# Altium PCB PMR_for_R124_test.PcbDoc (part 1 of 2) (continued)
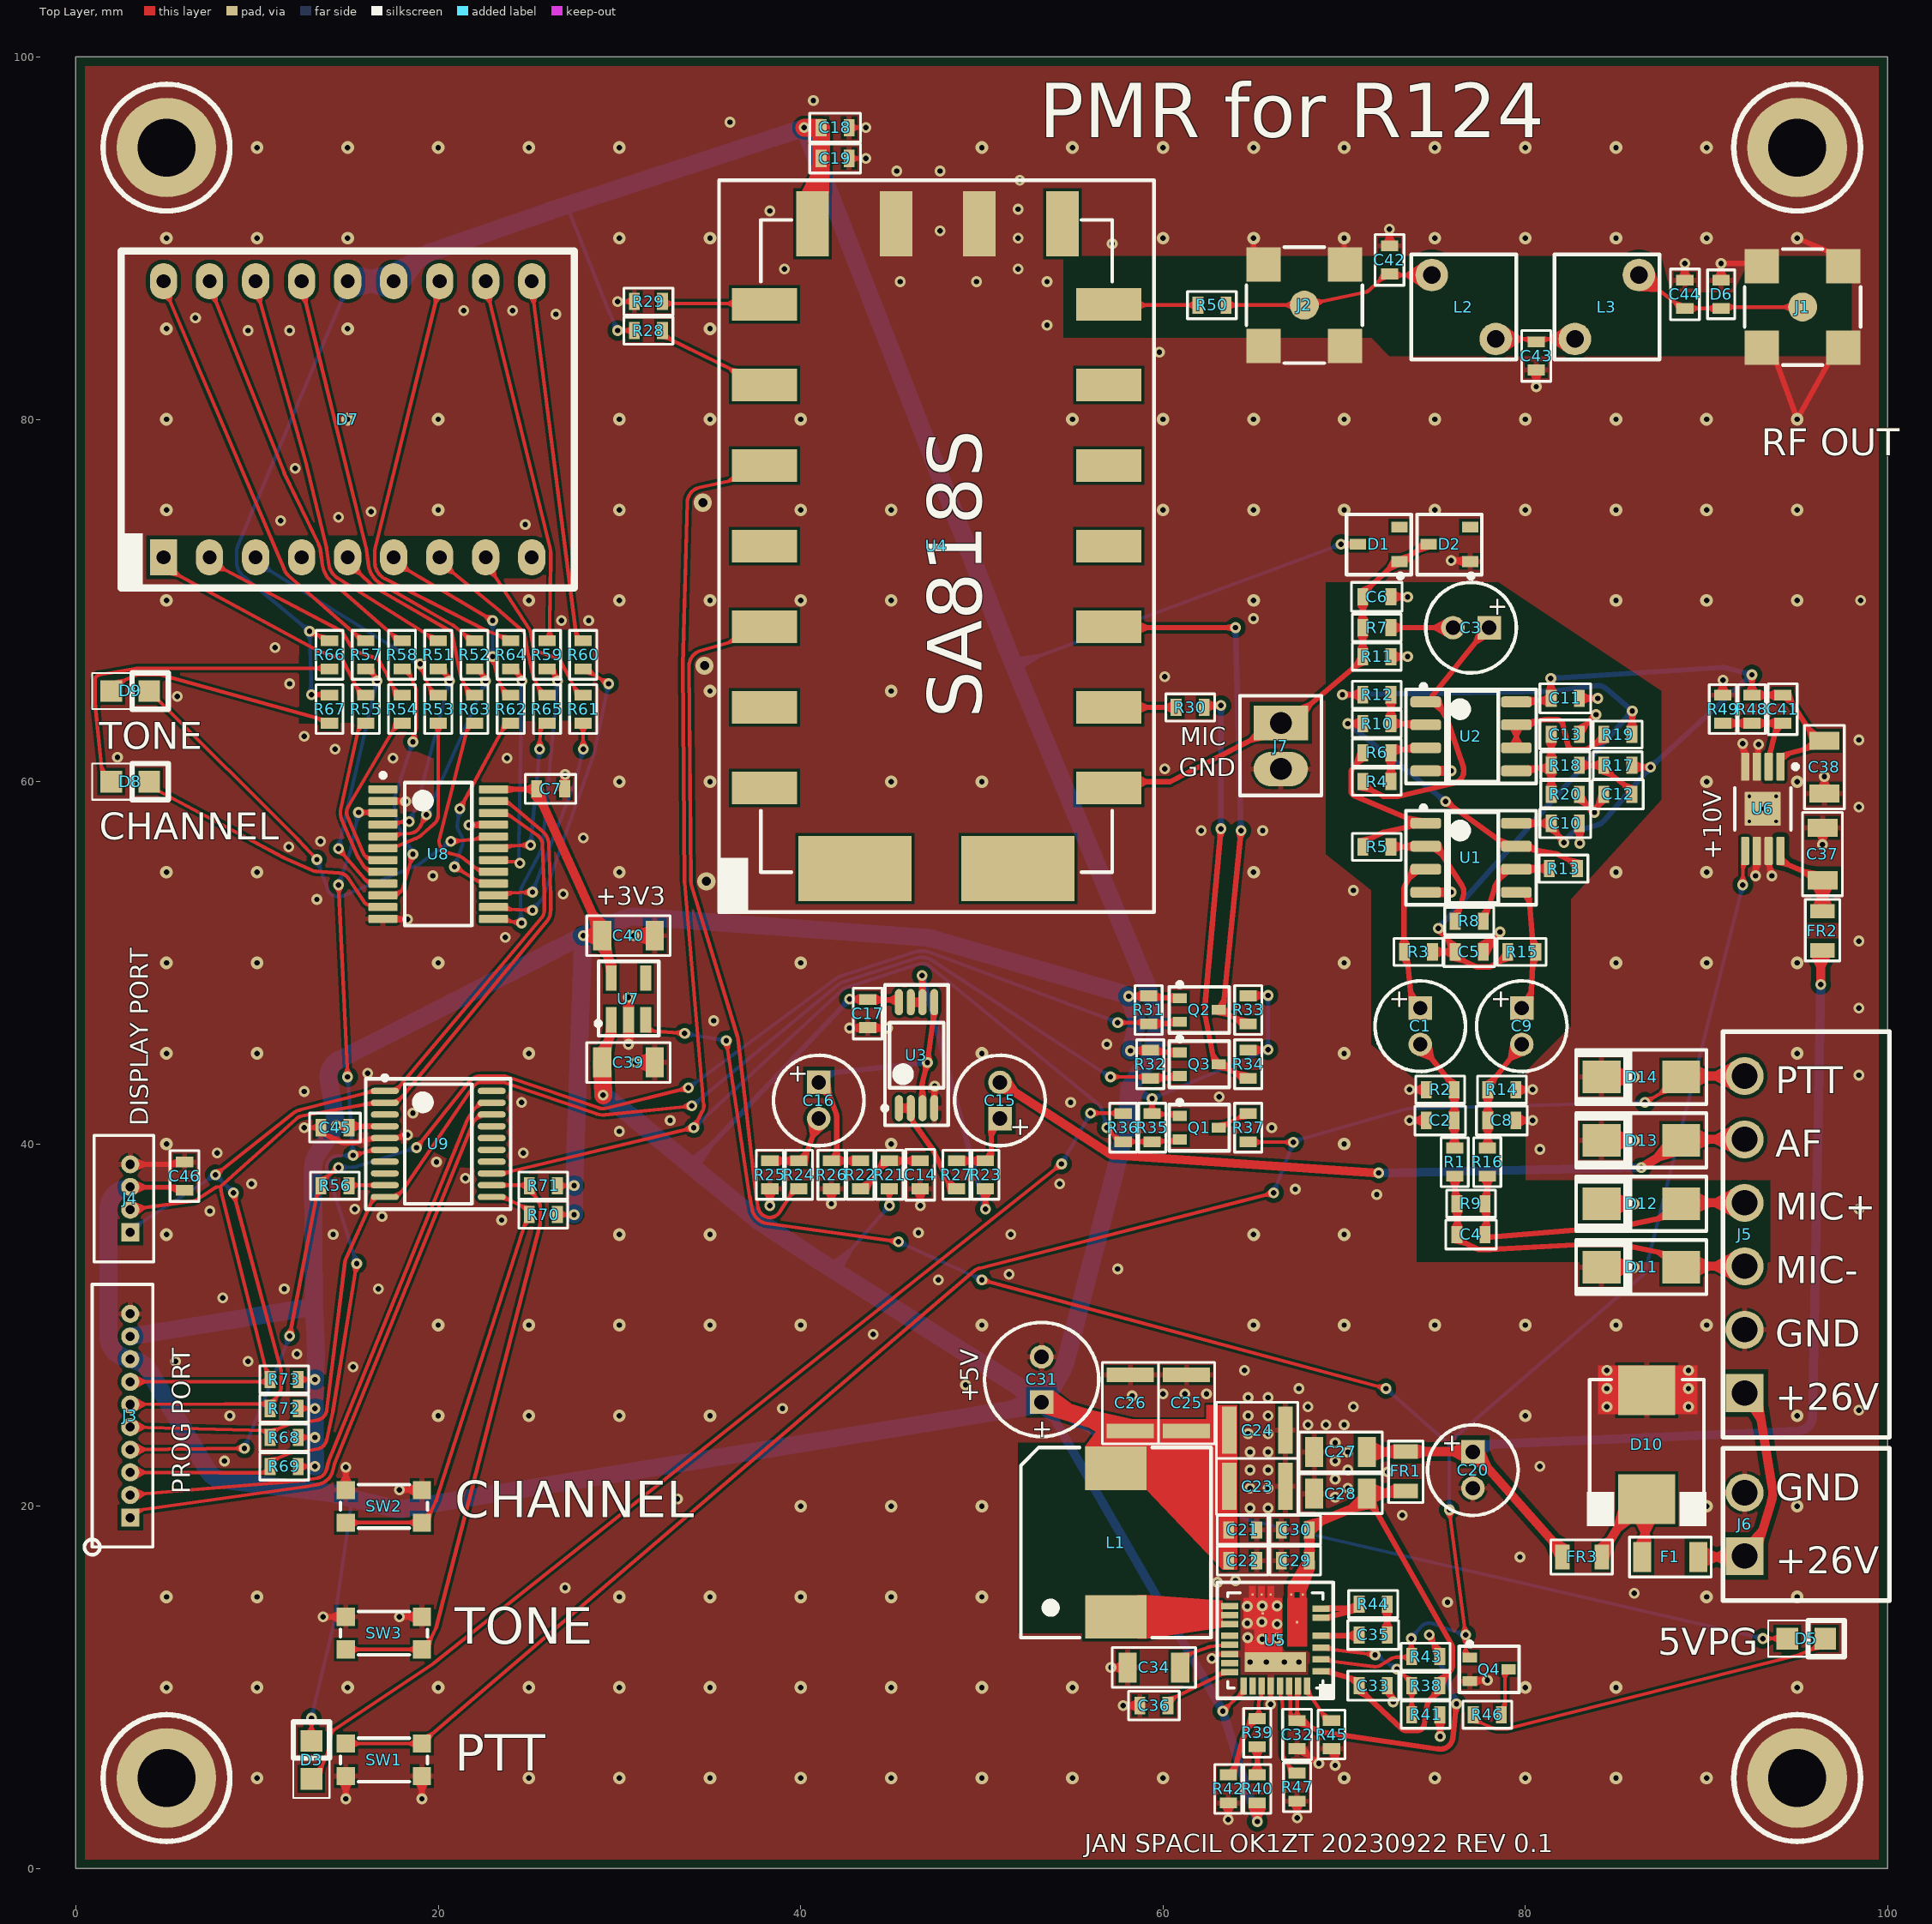
[diagram p0: Top Layer view]
## Footprints (in the part's own frame and the unit in brackets; to place one, negate y for a bottom-side part, rotate by r counter-clockwise, add the part's x,y. Pads: shape width x height; smd on the part's side, far side on the other; paste and mask are expansions set on the pad) (continued)
  silkscreen extent -3.17,-3.95 1.85,4.47, body extent -3.21,-3.9 3.21,3.9, height 1
SA818S [mm]
  rect 1.8x3.6 smd: 1(-13.35,9.5) 2(-8.9,9.5) 3(-4.45,9.5) 4(0,9.5) 5(4.45,9.5) 6(8.9,9.5) 7(13.35,9.5) 12(13.35,-9.5) 13(8.9,-9.5) 14(4.45,-9.5) 15(0,-9.5) 16(-4.45,-9.5) 17(-8.9,-9.5) 18(-13.35,-9.5)
  rect 3.6x1.8 smd: 8(17.8,6.84) 9(17.8,2.24) 10(17.8,-2.36) 11(17.8,-6.96)
  rect 3.6x6.25 smd: 19(-17.8,-4.5) 20(-17.8,4.5)
  silkscreen extent -20.2,-12 20.2,12, body extent -17.8,-9.5 17.8,9.5, height 3.2
SMD0603 [mm] "2-Leads, Body 1,60x0,85mm(0603), IPC Medium Density"
  rect 0.6x0.95 smd: 1(-0.775,0) 2(0.775,0)
  silkscreen extent -1.4,-0.8 1.4,0.8, body extent -0.8,-0.4 0.8,0.4, height 0.7
"SMD0603 - R" [mm] "2-Leads, Body 1,60x0,85mm(0603), IPC Medium Density"
  rect 0.6x0.95 smd: 1(-0.775,0) 2(0.775,0)
  silkscreen extent -1.35,-0.75 1.35,0.75, body extent -0.8,-0.45 0.8,0.45, height 0.5
"SMD0805 - R" [mm] "2-Leads, Body 2,00x1,25mm(0805), IPC Medium Density"
  rect 0.8x1.35 smd: 1(-1.125,0) 2(1.05,0)
  silkscreen extent -1.7,-0.95 1.7,0.95, body extent -1.15,-0.67 1.15,0.68, height 0.75
SMD1206 [mm] "Chip Resistor, 2-Leads, Body 3,20x1,60mm(1206), IPC Medium Density"
  rect 1x1.65 smd: 1(-1.45,0) 2(1.45,0)
  silkscreen extent -2.3,-1.1 2.3,1.1, body extent -1.6,-0.8 1.6,0.8, height 1
"SMD1206 - FUSE" [mm] "Chip Resistor, 2-Leads, Body 3,20x1,60mm(1206), IPC Medium Density"
  rect 1x1.65 smd: 1(-1.55,0) 2(1.55,0)
  silkscreen extent -2.25,-1.1 2.25,1.1, body extent -1.7,-0.9 1.7,0.9, height 1.17
SMD1210 [mm] "2-Leads, Body 3,2x2,50mm,(1210) IPC Medium Density"
  rect 0.8x2.6 smd: 1(-1.55,0) 2(1.55,0)
  silkscreen extent -2.25,-1.55 2.25,1.55, body extent -1.6,-1.25 1.6,1.25, height 1.3
SOIC08 [mm] "SOIC, 8-Leads, Body 4,90x3,90mm, Pitch 1,27mm, IPC Medium Density"
  rrect50% 1.7x0.6 smd: 1(-2.5,1.905) 2(-2.5,0.635) 3(-2.5,-0.635) 4(-2.5,-1.905) 5(2.5,-1.905) 6(2.5,-0.635) 7(2.5,0.635) 8(2.5,1.905)
  silkscreen extent -3.6,-2.6 3.6,2.88, body extent -3.1,-2.5 3.1,2.5, height 1.75
"SOT23 (TO-236AB)" [mm] "SOT23, 3-Leads, Body 2,90x2,30mm, Pitch 0,95mm, IPC Medium Density"
  rect 0.9x0.6 smd: 1(-1.15,0.95) 2(-1.15,-0.95) 3(1.15,0)
  silkscreen extent -1.8,-1.65 1.78,1.87, body extent -1.25,-1.5 1.25,1.5, height 1.09
SOT23-5 [mm] "SOT23, 5-Leads, Body 2,90x2,80mm, Pitch 0,95mm, IPC Medium Density"
  rect 1.4x0.6 smd: 1(-1.15,0.95) 2(-1.15,0) 3(-1.15,-0.95) 4(1.15,-0.95) 5(1.15,0.95)
  silkscreen extent -2.02,-1.68 2.08,1.8, body extent -1.6,-1.45 1.6,1.45, height 0.94
SOT323 [mm] "SOT323, 3-Leads, Body 2,00x2,10mm, Pitch 0,65mm, IPC Medium Density"
  rect 0.8x0.55 smd: 1(-1.075,0.65) 2(-1.075,-0.65) 3(1.075,0)
  silkscreen extent -1.65,-1.28 1.65,1.52, body extent -1.15,-1.05 1.15,1.05, height 1
TSSOP08 [mm] "TSOP, 8-Leads, Body 3.00x4.40mm, Pitch 0.65mm, IPC Medium Density"
  oval 1.45x0.45 smd mask+0.05: 1(-2.925,0.975) 2(-2.925,0.325) 3(-2.925,-0.325) 4(-2.925,-0.975) 5(2.925,-0.975) 6(2.925,-0.325) 7(2.925,0.325) 8(2.925,0.975)
  silkscreen extent -3.88,-1.75 3.88,1.87, body extent -3.2,-1.5 3.2,1.5, height 1.2
TSSOP20 [mm] "TSOP, 20-Leads, Body 6,50x4,40mm, Pitch 0,65mm, IPC Medium Density"
  oval 1.55x0.35 smd: 1(-2.95,2.925) 2(-2.95,2.275) 3(-2.95,1.625) 4(-2.95,0.975) 5(-2.95,0.325) 6(-2.95,-0.325) 7(-2.95,-0.975) 8(-2.95,-1.625) 9(-2.95,-2.275) 10(-2.95,-2.925) 11(2.95,-2.925) 12(2.95,-2.275) 13(2.95,-1.625) 14(2.95,-0.975) 15(2.95,-0.325) 16(2.95,0.325) 17(2.95,0.975) 18(2.95,1.625) 19(2.95,2.275) 20(2.95,2.925)
  silkscreen extent -4,-3.6 4,3.77, body extent -3.3,-3.25 3.1,3.25, height 1.2
Uni5 [mm]
  round 1.8 hole 0.965: 1(-1.765,1.765) 2(1.765,-1.765)
  silkscreen extent -2.9,-2.9 2.9,2.9, body extent -2.54,-2.54 2.54,2.54, height 7.87
WCAP-ATLI_5x11x2 [mm] "Aluminum Electrolytic Capacitors, 5x11mm"
  rect 1.3x1.3 hole 0.8: 1(1,0)
  round 1.3 hole 0.8: 2(-1,0)
  silkscreen extent -2.5,-2.5 2.5,2.5, body extent -2.49,-2.5 2.5,2.5, height 11.31
WCAP-ATLI_6.3x11x2.5 [mm] "Aluminum Electrolytic Capacitors, 6.3x11mm"
  rect 1.3x1.3 hole 0.8: 1(1.25,0)
  round 1.3 hole 0.8: 2(-1.25,0)
  silkscreen extent -3.15,-3.15 3.15,3.15, body extent -3.14,-3.15 3.15,3.15, height 11.31
WE-PDF_1064 [mm] "SMD Shielded Power Inductor, body 10.2x10.2mm"
  rect 3.4x2.4 smd: 1(0,-4.1) 2(0,4.1)
  silkscreen extent -5.25,-5.25 5.25,5.25, body extent -5.1,-5.1 5.1,5.1, height 6.4

## Part data
C1 C3 C9 C15 C16 C20: library part 860080772001, "WURTH ELEKTRONIK - 860080772001 - CAP, ALU ELEC, 10UF, 63V, RADIAL", Capacitance=10u, Manufacturer="WURTH ELEKTRONIK", Ripple Current="135mA @ 100kHz", Supplier Part Number 1=710-860080772001, Voltage Rating=63V, ComponentLink1Description=http://www.farnell.com/datasheets/1879798.pdf, ComponentLink1URL=http://www.farnell.com/datasheets/1879798.pdf, ComponentLink2Description=http://www.farnell.com/datasheets/2065186.pdf, ComponentLink2URL=http://www.farnell.com/datasheets/2065186.pdf, Manufacturer Part Number=860080772001, Pricing 1="1=0.0957, 3=0.091, 5=0.0863, 10=0.0825, 20=0.0786, 50=0.0692, 250=0.0647, 500=0.0564 (GBP)", Pricing 3="1=0.62, 50=0.335, 100=0.289, 250=0.259, 500=0.235, 1500=0.202, 7500=0.182, 15000=0.178 (GBP)", RoHS=YES, Stock 1=553, Stock 3=2136, Supplier 1=Mouser, Supplier 2=Farnell, Supplier 3=Digi-Key, Supplier Part Number 2=2465955, Supplier Part Number 3=732-9121-1-ND
C2 C4 C6 C8 C41: library part GRM1885C1H103JA01D, "Multilayer Ceramic Capacitors MLCC - SMD/SMT 0603 50VDC 10000pF 5% C0G", Capacitance=10n, Capacitance - nF="10 nF", Capacitance - pF="10000 pF", Case Code - in=0603, Case Code - mm=1608, Dielectric="C0G (NP0)", Manufacturer="Murata Electronics", Maximum Operating Temperature="+ 125 C", Minimum Operating Temperature="- 55 C", Package / Case="0603 (1608 metric)", Supplier Part Number 1=81-GRM1885C1H103JA1D, Tolerance="5 %", Voltage Rating DC="50 VDC", Brand="Murata Electronics", Category="Multilayer Ceramic Capacitors MLCC - SMD/SMT", Class="Class 1", CNHTS=8532241000, ComponentLink1Description=http://www.mouser.com/datasheet/2/281/murata_03052018_GRM_Series_1-1310166.pdf, ComponentLink1URL=http://www.mouser.com/datasheet/2/281/murata_03052018_GRM_Series_1-1310166.pdf, Height="0.8 mm", HTS Code=8532240020, Length="1.6 mm", Manufacturer Part Number=GRM1885C1H103JA01D, Minimum Order Quantity=1, Packaging="Cut Tape", Pricing 1="1=0.183, 10=0.129, 100=0.065, 500=0.045, 1000=0.039, 4000=0.030, 8000=0.027, 24000=0.025 (EUR)", Product="General Type MLCCs", Product Type="Ceramic Capacitors", Reeling=True, RoHS="RoHS Compliant", RoHS - Mouser=Y, Series=GRM, Standard Pack Qty=4000, Stock 1=217291, Subcategory=Capacitors, Supplier 1=Mouser, Supplier 2=Farnell, Supplier Part Number 2=2456107, TARIC=8532240000, Termination=Standard, Termination Style=SMD/SMT, Type="Chip Multilayer Ceramic Capacitor for General Purpose", Width="0.8 mm"
C5 C7 C10 C11 C12 C13 C14 C17 C18 C19 C45 C46: library part CGA3E1X7R1E105K080AC, "CAP CER 1UF 25V X7R 0603", Capacitance=1u, Manufacturer="TDK Corporation", Operating Temperature="-55°C ~ 125°C", Package / Case="0603 (1608 Metric)", Ratings=AEC-Q200, Supplier Part Number 1=810-CGA3E1X7R1E105K, Temperature Coefficient=X7R, Tolerance=±10%, Voltage - Rated=25V, Applications=Automotive, Category=Capacitors, ComponentLink1Description=https://product.tdk.com/info/en/catalog/datasheets/mlcc_automotive_general_en.pdf, ComponentLink1URL=https://product.tdk.com/info/en/catalog/datasheets/mlcc_automotive_general_en.pdf, Failure Rate=-, Features=-, Height - Seated (Max)=-, Lead Spacing=-, Lead Style=-, Manufacturer Part Number=CGA3E1X7R1E105K080AC, Mounting Type="Surface Mount, MLCC", Packaging="Cut Tape (CT)", Part Status=Active, Pricing 1="1=0.2, 10=0.135, 100=0.0686, 500=0.04696, 1000=0.04154 (USD)", RoHS="RoHS Compliant", Size / Dimension="0.063\" L x 0.032\" W (1.60mm x 0.80mm)", Stock 1=109509, Supplier 1=Mouser, Supplier 2=Farnell, Supplier 3=Digi-Key, Supplier Part Number 2=2346962, Supplier Part Number 3=445-6931-1-ND, Thickness (Max)="0.035\" (0.90mm)"
C21 C22 C29 C30 C32 C33: library part UMK107AB7105KA-T, "0603 1 uF 50 V ±10% Tolerance X7R SMT Multilayer Ceramic Capacitor", Capacitance=1u, Case Code (Imperial)=0603, Case Code (Metric)=1608, Dielectric=X7R, Manufacturer="Taiyo Yuden", Max Operating Temperature=125°C, Min Operating Temperature=-55°C, Package Quantity=1, Supplier Part Number 1=963-UMK107AB7105KA-T, Tolerance=10%, Voltage Rating=50V, Case/Package=0603, Category="Ceramic Capacitors", ComponentLink1Description=https://datasheet.ciiva.com/15922/umk107ab7105ka-t-pdf-15922601.pdf?src-supplier=Onlinecomponents.com, ComponentLink1URL=https://datasheet.ciiva.com/15922/umk107ab7105ka-t-pdf-15922601.pdf?src-supplier=Onlinecomponents.com, ComponentLink2Description=https://datasheet.ciiva.com/6257/umk107ab7105ka-t-ss-6257600.pdf?src-supplier=Digi-Key, ComponentLink2URL=https://datasheet.ciiva.com/6257/umk107ab7105ka-t-ss-6257600.pdf?src-supplier=Digi-Key, ComponentLink3Description=https://datasheet.ciiva.com/30137/76umk107ab7105ka-t-30137806.pdf?src-supplier=Onlinecomponents.com, ComponentLink3URL=https://datasheet.ciiva.com/30137/76umk107ab7105ka-t-30137806.pdf?src-supplier=Onlinecomponents.com, Depth=0.8mm, Halogen Free="Halogen Free", Height=0.8mm, Length=1.6mm, Manufacturer Part Number=UMK107AB7105KA-T, Mount="Surface Mount", Packaging="Tape and Reel", Pricing 1="1=0,39000, 10=0,13500, 100=0,09200, 500=0,07800, 1000=0,06100, 4000=0,06100 (USD)", Radiation Hardening=No, RoHS=Yes, Stock 1=419967, Supplier 1=Mouser, Supplier 2=Farnell, Supplier 3=Digi-Key, Supplier Part Number 2=2779113, Supplier Part Number 3=587-3247-6-ND, Termination=SMD/SMT, Thickness=0.037inch, Voltage Rating (DC)=50V, Width=0.031inch
C23 C24 C25 C26: library part CL32B476MPJNNNE, "Cap Ceramic 47uF 10V X7R 20% Pad SMD 1210 125C T/R", Case/Package=1210, Dielectric=X7R, Manufacturer=Samsung, Supplier Part Number 1=187-CL32B476MPJNNNE, Tolerance=20%, Voltage Rating (DC)=10V, Category="Ceramic Capacitors", ComponentLink1Description=http://www.samsungsem.com/kr/support/library/product-catalog/__icsFiles/afieldfile/2014/11/13/MLCC.pdf?src-supplier=Avnet, ComponentLink1URL=http://www.samsungsem.com/kr/support/library/product-catalog/__icsFiles/afieldfile/2014/11/13/MLCC.pdf?src-supplier=Avnet, Manufacturer Part Number=CL32B476MPJNNNE, Pricing 1="1=0.51, 10=0.377, 50=0.377, 100=0.263, 1000=0.198, 10000=0.163 (USD)", RoHS=Yes, RoHS Compliant=Yes, Stock 1=61232, Supplier 1=Mouser, Supplier 2="Arrow Electronics", Supplier Part Number 2=CL32B476MPJNNNE
C27 C28 C34 C37 C38 C39 C40: library part UMK316BBJ106KL-T, "CAP CER 10UF 50V X5R 1206", Capacitance=10u, Case/Package=1206, Manufacturer="Taiyo Yuden", Max Operating Temperature=85°C, Min Operating Temperature=-55°C, Supplier Part Number 1=963-UMK316BBJ106KL-T, Tolerance=10%, Voltage Rating=50V, Category="Ceramic Capacitors", ComponentLink1Description=http://ds.yuden.co.jp/TYCOMPAS/ut/detail.do?productNo=UMK316BBJ106KL-T&fileName=UMK316BBJ106KL-T_SS&mode=specSheetDownload&src-supplier=Digi-Key, ComponentLink1URL=http://ds.yuden.co.jp/TYCOMPAS/ut/detail.do?productNo=UMK316BBJ106KL-T&fileName=UMK316BBJ106KL-T_SS&mode=specSheetDownload&src-supplier=Digi-Key, ComponentLink2Description=https://www.yuden.co.jp/productdata/catalog/mlcc01_e.pdf?src-supplier=Digi-Key, ComponentLink2URL=https://www.yuden.co.jp/productdata/catalog/mlcc01_e.pdf?src-supplier=Digi-Key, ComponentLink3Description=http://www.yuden.co.jp/productdata/catalog/en/mlcc_all_e.pdf?src-supplier=Digi-Key, ComponentLink3URL=http://www.yuden.co.jp/productdata/catalog/en/mlcc_all_e.pdf?src-supplier=Digi-Key, Lead Free="Lead Free", Length=0.126inch, Manufacturer Part Number=UMK316BBJ106KL-T, Mount="Surface Mount", Packaging="Tape and Reel", Pricing 1="1=0,42000, 10=0,18000, 100=0,12800, 500=0,11000, 1000=0,09700, 2000=0,08000 (USD)", RoHS=Yes, Stock 1=207945, Supplier 1=Mouser, Supplier 2=Digi-Key, Supplier 3=Avnet, Supplier Part Number 2=587-5960-1-ND, Supplier Part Number 3=UMK316BBJ106KL-T, Thickness=0.071inch, Width=0.063inch
C31: library part 860010473007, "CAP 100 UF 20% 25 V", Capacitance=100uF, Case/Package=Radial, Manufacturer="Wurth Electronics", Max Operating Temperature=85°C, Min Operating Temperature=-40°C, Package Quantity=1500, Ripple Current=209mA, Supplier Part Number 1=710-860010473007, Tolerance=20%, Voltage Rating=25V, Category="Aluminum Electrolytic Capacitors", ComponentLink1Description=https://datasheet.ciiva.com/48693/001280151-da-01-en-wcap-atg8-alu-elec-caps-860010473007-48693591.pdf?src-supplier=Conrad, ComponentLink1URL=https://datasheet.ciiva.com/48693/001280151-da-01-en-wcap-atg8-alu-elec-caps-860010473007-48693591.pdf?src-supplier=Conrad, Diameter=6.3mm, Height=11mm, Height - Seated (Max)=0.492inch, Lead Pitch=0.098inch, Life (Hours)=2000Hour, Manufacturer Part Number=860010473007, Material=Aluminium, Mount="Through Hole", Packaging="Tape and Reel", Polarity=Polar, Pricing 1="1=0.14000, 10=0.13400, 25=0.13400, 50=0.11200, 100=0.09800, 250=0.08700 (USD)", REACH SVHC=Unknown, RoHS=Yes, Stock 1=1494, Supplier 1=Mouser, Supplier 2=Farnell, Supplier 3=Digi-Key, Supplier Part Number 2=2465675, Supplier Part Number 3=732-8630-1-ND, Voltage Rating (DC)=25V
C35: library part 06033C104KAT2A, "AVX - 06033C104KAT2A - CAP, MLCC, X7R, 0.1UF, 25V, 0603", Capacitance=100n, Capacitance Tolerance="± 10%", Ceramic Capacitor Case="0603 [1608 Metric]", Dielectric Characteristic=X7, Manufacturer=AVX, Operating Temperature Max=125, Operating Temperature Min=-55, Supplier Part Number 1=2530141, Voltage Rating=25, Automotive Qualification Standard=-, ComponentLink1Description=http://www.farnell.com/datasheets/2237835.pdf, ComponentLink1URL=http://www.farnell.com/datasheets/2237835.pdf, Manufacturer Part Number=06033C104KAT2A, MSL="MSL 1 - Unlimited", Packaging="Cut Tape", Pricing 1="10=0.012, 100=0.0096, 500=0.0069, 1000=0.006, 2000=0.0048, 4000=0.0038, 20000=0.0027, 40000=0.0026 (GBP)", Product Range="AVX 0603 MLCC", RoHS=YES, Stock 1=22809, Supplier 1=Farnell, Supplier 2=Digi-Key, Supplier Part Number 2=478-3714-1-ND, SVHC="No SVHC (17-Dec-2015)<!--FANDB--><div class=\"features-and-benefits-container\"><div class=\"features-and-benefits-desc-container\"><span class=\"features-and-benefits-container-desc\">SMD Multilayer Ceramic Capacitor, 0603 [1608 Metric], 0.1 µF, 25 V, ± 10%, X7R, AVX 0603 MLCC</span></div><div class=\"features-and-benefits-description\"><span class=\"features-benefits-value\">The 06033C104KAT2A is a SMD Multilayer Ceramic Capacitor with Ni/Sn-plated termination, X7R dielectric and 0603 case. X7R formulations are called temperature stable ceramics and fall into EIA class II materials. X7R is the most popular of this intermediate dielectric constant material. This capacitance change is non-linear. Capacitance for X7R varies under the influence of electrical operating conditions such as voltage and frequency. X7"
C36: library part 06035C333JAT2A, "0603 33nF Ceramic Multilayer Capacitor; 50 V dc; +125degC; X7R Dielectric; +/-5%", Capacitance=33n, Case Code (Imperial)=0603, Case Code (Metric)=1608, Dielectric=X7R, Dielectric Material=Ceramic, Manufacturer="Kyocera AVX", Max Operating Temperature=125°C, Min Operating Temperature=-55°C, Package Quantity=1, Supplier Part Number 1=581-06035C333J, Tolerance=5%, Voltage=50V, Case/Package=0603, ComponentLink1Description=https://datasheet.ciiva.com/7855/1679506-7855093.pdf?src-supplier=Element14, ComponentLink1URL=https://datasheet.ciiva.com/7855/1679506-7855093.pdf?src-supplier=Element14, ComponentLink2Description=https://datasheet.ciiva.com/28694/cx7r-28694479.pdf?src-supplier=Element14, ComponentLink2URL=https://datasheet.ciiva.com/28694/cx7r-28694479.pdf?src-supplier=Element14, ComponentLink3Description=https://datasheet.ciiva.com/152/cx7r-152032.pdf?src-supplier=Digi-Key, ComponentLink3URL=https://datasheet.ciiva.com/152/cx7r-152032.pdf?src-supplier=Digi-Key, ComponentLink4Description=https://datasheet.ciiva.com/152/cx7r-152033.pdf?src-supplier=Digi-Key, ComponentLink4URL=https://datasheet.ciiva.com/152/cx7r-152033.pdf?src-supplier=Digi-Key, ComponentLink5Description=https://datasheet.ciiva.com/1457/84526-1457941.pdf?src-supplier=Element14, ComponentLink5URL=https://datasheet.ciiva.com/1457/84526-1457941.pdf?src-supplier=Element14, ComponentLink6Description=https://datasheet.ciiva.com/1457/84526-1457942.pdf?src-supplier=Element14, ComponentLink6URL=https://datasheet.ciiva.com/1457/84526-1457942.pdf?src-supplier=Element14, ComponentLink7Description=https://datasheet.ciiva.com/17084/cx7r-17084518.pdf?src-supplier=Future+Electronics, ComponentLink7URL=https://datasheet.ciiva.com/17084/cx7r-17084518.pdf?src-supplier=Future+Electronics, ComponentLink8Description=https://datasheet.ciiva.com/2987/cx7r-2987848.pdf?src-supplier=Avnet, ComponentLink8URL=https://datasheet.ciiva.com/2987/cx7r-2987848.pdf?src-supplier=Avnet, ComponentLink9Description=https://datasheet.ciiva.com/14605/70001075-14605242.pdf?src-supplier=Allied+Electronics, ComponentLink9URL=https://datasheet.ciiva.com/14605/70001075-14605242.pdf?src-supplier=Allied+Electronics, ComponentLink10Description=https://datasheet.ciiva.com/152/cx7r-152031.pdf?src-supplier=Digi-Key, ComponentLink10URL=https://datasheet.ciiva.com/152/cx7r-152031.pdf?src-supplier=Digi-Key, Contact Plating=Tin,Matte, Depth=0.81mm, Dissipation Factor=2.5%, Height=0.9mm, Lead Free="Lead Free", Length=1.6mm, Manufacturer Part Number=06035C333JAT2A, Mount="Surface Mount,PCB", Number of Pins=2, Packaging="Tape and Reel", Pricing 1="1 = 0.13000, 10 = 0.12100, 50 = 0.12100, 100 = 0.06000, 1000 = 0.03600, 10000 = 0.02400 (USD)", Radiation Hardening=No, REACH SVHC="No SVHC", RoHS=Yes, Stock 1=266948, Supplier 1=Mouser, Supplier 2=Farnell, Supplier 3=Digi-Key, Supplier 4=Arrow, Supplier Part Number 2=2280893, Supplier Part Number 3=478-3723-1-ND, Supplier Part Number 4=06035C333JAT2A, Termination=SMD/SMT, Thickness=0.035inch, Voltage Rating=50V, Voltage Rating (DC)=50V, Width=0.032inch
C42 C44: library part 885012006050, "WURTH ELEKTRONIK - 885012006050 - CAP, 6.8PF, 50V, C0G/NP0, 0603", Capacitance=6.8pF, Case Code (Imperial)=0603, Case Code (Metric)=1608, Manufacturer="Wurth Electronics", Max Operating Temperature=125°C, Min Operating Temperature=-55°C, Supplier Part Number 1=710-885012006050, Voltage Rating=50V, Case/Package=0603, Category="Ceramic Capacitors", ComponentLink1Description=http://www.farnell.com/datasheets/2031676.pdf?src-supplier=Farnell, ComponentLink1URL=http://www.farnell.com/datasheets/2031676.pdf?src-supplier=Farnell, ComponentLink2Description=http://www.farnell.com/datasheets/2031676.pdf?src-supplier=Newark, ComponentLink2URL=http://www.farnell.com/datasheets/2031676.pdf?src-supplier=Newark, ComponentLink3Description=https://katalog.we-online.de/pbs/datasheet/885012006050.pdf?src-supplier=Digi-Key, ComponentLink3URL=https://katalog.we-online.de/pbs/datasheet/885012006050.pdf?src-supplier=Digi-Key, Length=0.063inch, Manufacturer Part Number=885012006050, Mount="Surface Mount", Packaging="Tape and Reel", Pricing 1="1=0.10000, 10=0.03000, 50=0.03000, 100=0.02700, 1000=0.02400, 10000=0.01900 (USD)", RoHS=Yes, Stock 1=9120, Supplier 1=Mouser, Supplier 2=Farnell, Supplier 3=Digi-Key, Supplier Part Number 2=2533851, Supplier Part Number 3=732-7792-1-ND, Thickness=0.034inch, Width=0.031inch
C43: library part 06031U120FAT2A, "Cap Ceramic 12pF 100V C0G 1% SMD 0603 125°C T/R", Capacitance=12p, Case Code (Imperial)=0603, Case Code (Metric)=1608, Dielectric=C0G, Manufacturer="Kyocera AVX", Max Operating Temperature=125°C, Min Operating Temperature=-55°C, Package Quantity=4000, Supplier Part Number 1=581-06031U120FAT2A, Tolerance=1%, Voltage Rating=100V, Case/Package=0603, Category="Ceramic Capacitors", ComponentLink1Description=https://datasheet.ciiva.com/208/useries-208490.pdf?src-supplier=Digi-Key, ComponentLink1URL=https://datasheet.ciiva.com/208/useries-208490.pdf?src-supplier=Digi-Key, Construction=Flat, Depth=0.76mm, Length=1.6mm, Manufacturer Part Number=06031U120FAT2A, Mounting Technology="Surface Mount", Packaging="Tape and Reel", Pricing 1="1=0.33, 10=0.227, 50=0.227, 100=0.137, 1000=0.087, 10000=0.07 (USD)", Radiation Hardening=No, RoHS=Yes, RoHS Compliant=Yes, Series=U, Stock 1=6418, Supplier 1=Mouser, Termination=SMD/SMT, Voltage Rating (DC)=100V, Width=0.81mm
D1 D2: "ON SEMICONDUCTOR/FAIRCHILD - BAS16 - DIODE, SWITCHING, 0.2A 85V, SOT-23", Current If @ Vf=50, Current Ifsm=1, Diode Case Style=SOT-23, Forward Current If(AV)=200, Junction Temperature Tj Max=150, Manufacturer="ON SEMICONDUCTOR/FAIRCHILD", Operating Temperature Min=-55, Operating Temperature Range="-55°C to +150", Peak Forward Current=600, Power Dissipation Ptot Max=350, Repetitive Reverse Voltage Vrrm Max=85, Supplier Part Number 1=9843957, Test Current="50mA<!--FANDB--><div class=\"features-and-benefits-container\"><div class=\"features-and-benefits-desc-container\"><span class=\"features-and-benefits-container-desc\">Small Signal Diode, Single, 85 V, 200 mA, 1 V, 6 ns, 1 A</span></div><div class=\"features-and-benefits-description\"><span class=\"features-benefits-value\">The BAS16 is a high conductance ultra fast Small Signal Diode for general usage and suitable for many different applications.</span></div><div class=\"features-and-benefits-list\"><ul class=\"features-and-benefits-list-list\"><li class=\"features-and-benefits-list-item\">-55 to 150", Automotive Qualification Standard=-, ComponentLink1Description=http://www.farnell.com/datasheets/2283986.pdf, ComponentLink1URL=http://www.farnell.com/datasheets/2283986.pdf, ComponentLink2Description=http://www.farnell.com/datasheets/410597.pdf, ComponentLink2URL=http://www.farnell.com/datasheets/410597.pdf, ComponentLink3Description=http://www.farnell.com/datasheets/2040241.pdf, ComponentLink3URL=http://www.farnell.com/datasheets/2040241.pdf, Diode Configuration=Single, External Depth=2.5, External Length / Height=1.12, External Width=3.05, Forward Current If Max=50, Forward Surge Current Ifsm Max=1, Forward Voltage=1, Forward Voltage VF Max=1, Manufacturer Part Number=BAS16, MSL="MSL 1 - Unlimited", No. of Pins=3, Operating Temperature Max=150, Packaging="Cut Tape", Pricing 1="10=0.134, 100=0.0463, 1000=0.0273, 3000=0.0181 (GBP)", Product Range="BAS16 Series", Reverse Recovery Time trr Max=6, RoHS=YES, SMD Marking=A6, Stock 1=114340, Supplier 1=Farnell, SVHC="No SVHC (15-Jun-2015)"
D3: library part MCL-S270SRC, "MULTICOMP - MCL-S270SRC - LED, SMD, 0805, SUPER-RED", Current Rating=20, Forward Voltage=1.85, Forward Voltage VF Max=2.4, LED Colour=Red, Manufacturer=MULTICOMP, Operating Temperature Max=85, Operating Temperature Min=-40, Operating Temperature Range="-40°C to +85", Peak Forward Current=120, Power Dissipation Pd=100, Reverse Protection Voltage=5, Storage Temperature Max=+100, Supplier Part Number 1=1581239, Voltage Vf Min=1.5, Voltage Vf Typ="1.85V<!--FANDB--><div class=\"features-and-benefits-container\"><div class=\"features-and-benefits-description\"><span class=\"features-benefits-value\">The MCL-S270SRC is a super red SMD LED with water clear epoxy, made of GaAlAs dice.</span></div><div class=\"features-and-benefits-list\"><ul class=\"features-and-benefits-list-list\"><li class=\"features-and-benefits-list-item\">0805 Case</li><li class=\"features-and-benefits-list-item\">5V Reverse voltage</li><li class=\"features-and-benefits-list-item\">10?A at 5V Reverse current</li><li class=\"features-and-benefits-list-item\">-40 to 85", Automotive Qualification Standard=-, Bulb Size="1.25mm x 1.4", ComponentLink1Description=http://www.farnell.com/cad/53023.pdf, ComponentLink1URL=http://www.farnell.com/cad/53023.pdf, ComponentLink2Description=http://www.farnell.com/datasheets/2182724.pdf, ComponentLink2URL=http://www.farnell.com/datasheets/2182724.pdf, Dominant Wavelength=643, Dominant Wavelength Typ=643, Forward Current If=20, Forward Current If Max=20, LED / Lamp Size="1.4mm x 1.25", LED Mounting=SMD, LED Type=Standard, Lens Shape=Rectangular, Luminous Intensity=17, Luminous Intensity Max=20, Luminous Intensity Min=14, Luminous Intensity Typ=17, Manufacturer Part Number=MCL-S270SRC, MSL="MSL 3 - 168 hours", No. of Pins=2, Packaging="Cut Tape", Peak Wavelength=660, Pricing 1="5=0,154, 25=0,142, 100=0,132, 250=0,0847, 500=0,0679, 2000=0,0583, 5000=0,0521, 20000=0,0455 (GBP)", Product Range=-, RoHS=YES, Stock 1=27404, Storage Temperature Min=-40, Supplier 1=Farnell, Supplier 2=Newark, Supplier Part Number 2=14N9358, SVHC="No SVHC (17-Dec-2015)", Viewing Angle=140°, Wavelength Typ=643